# Altium PCB Version_2.PcbDoc (part 4 of 6) (continued)
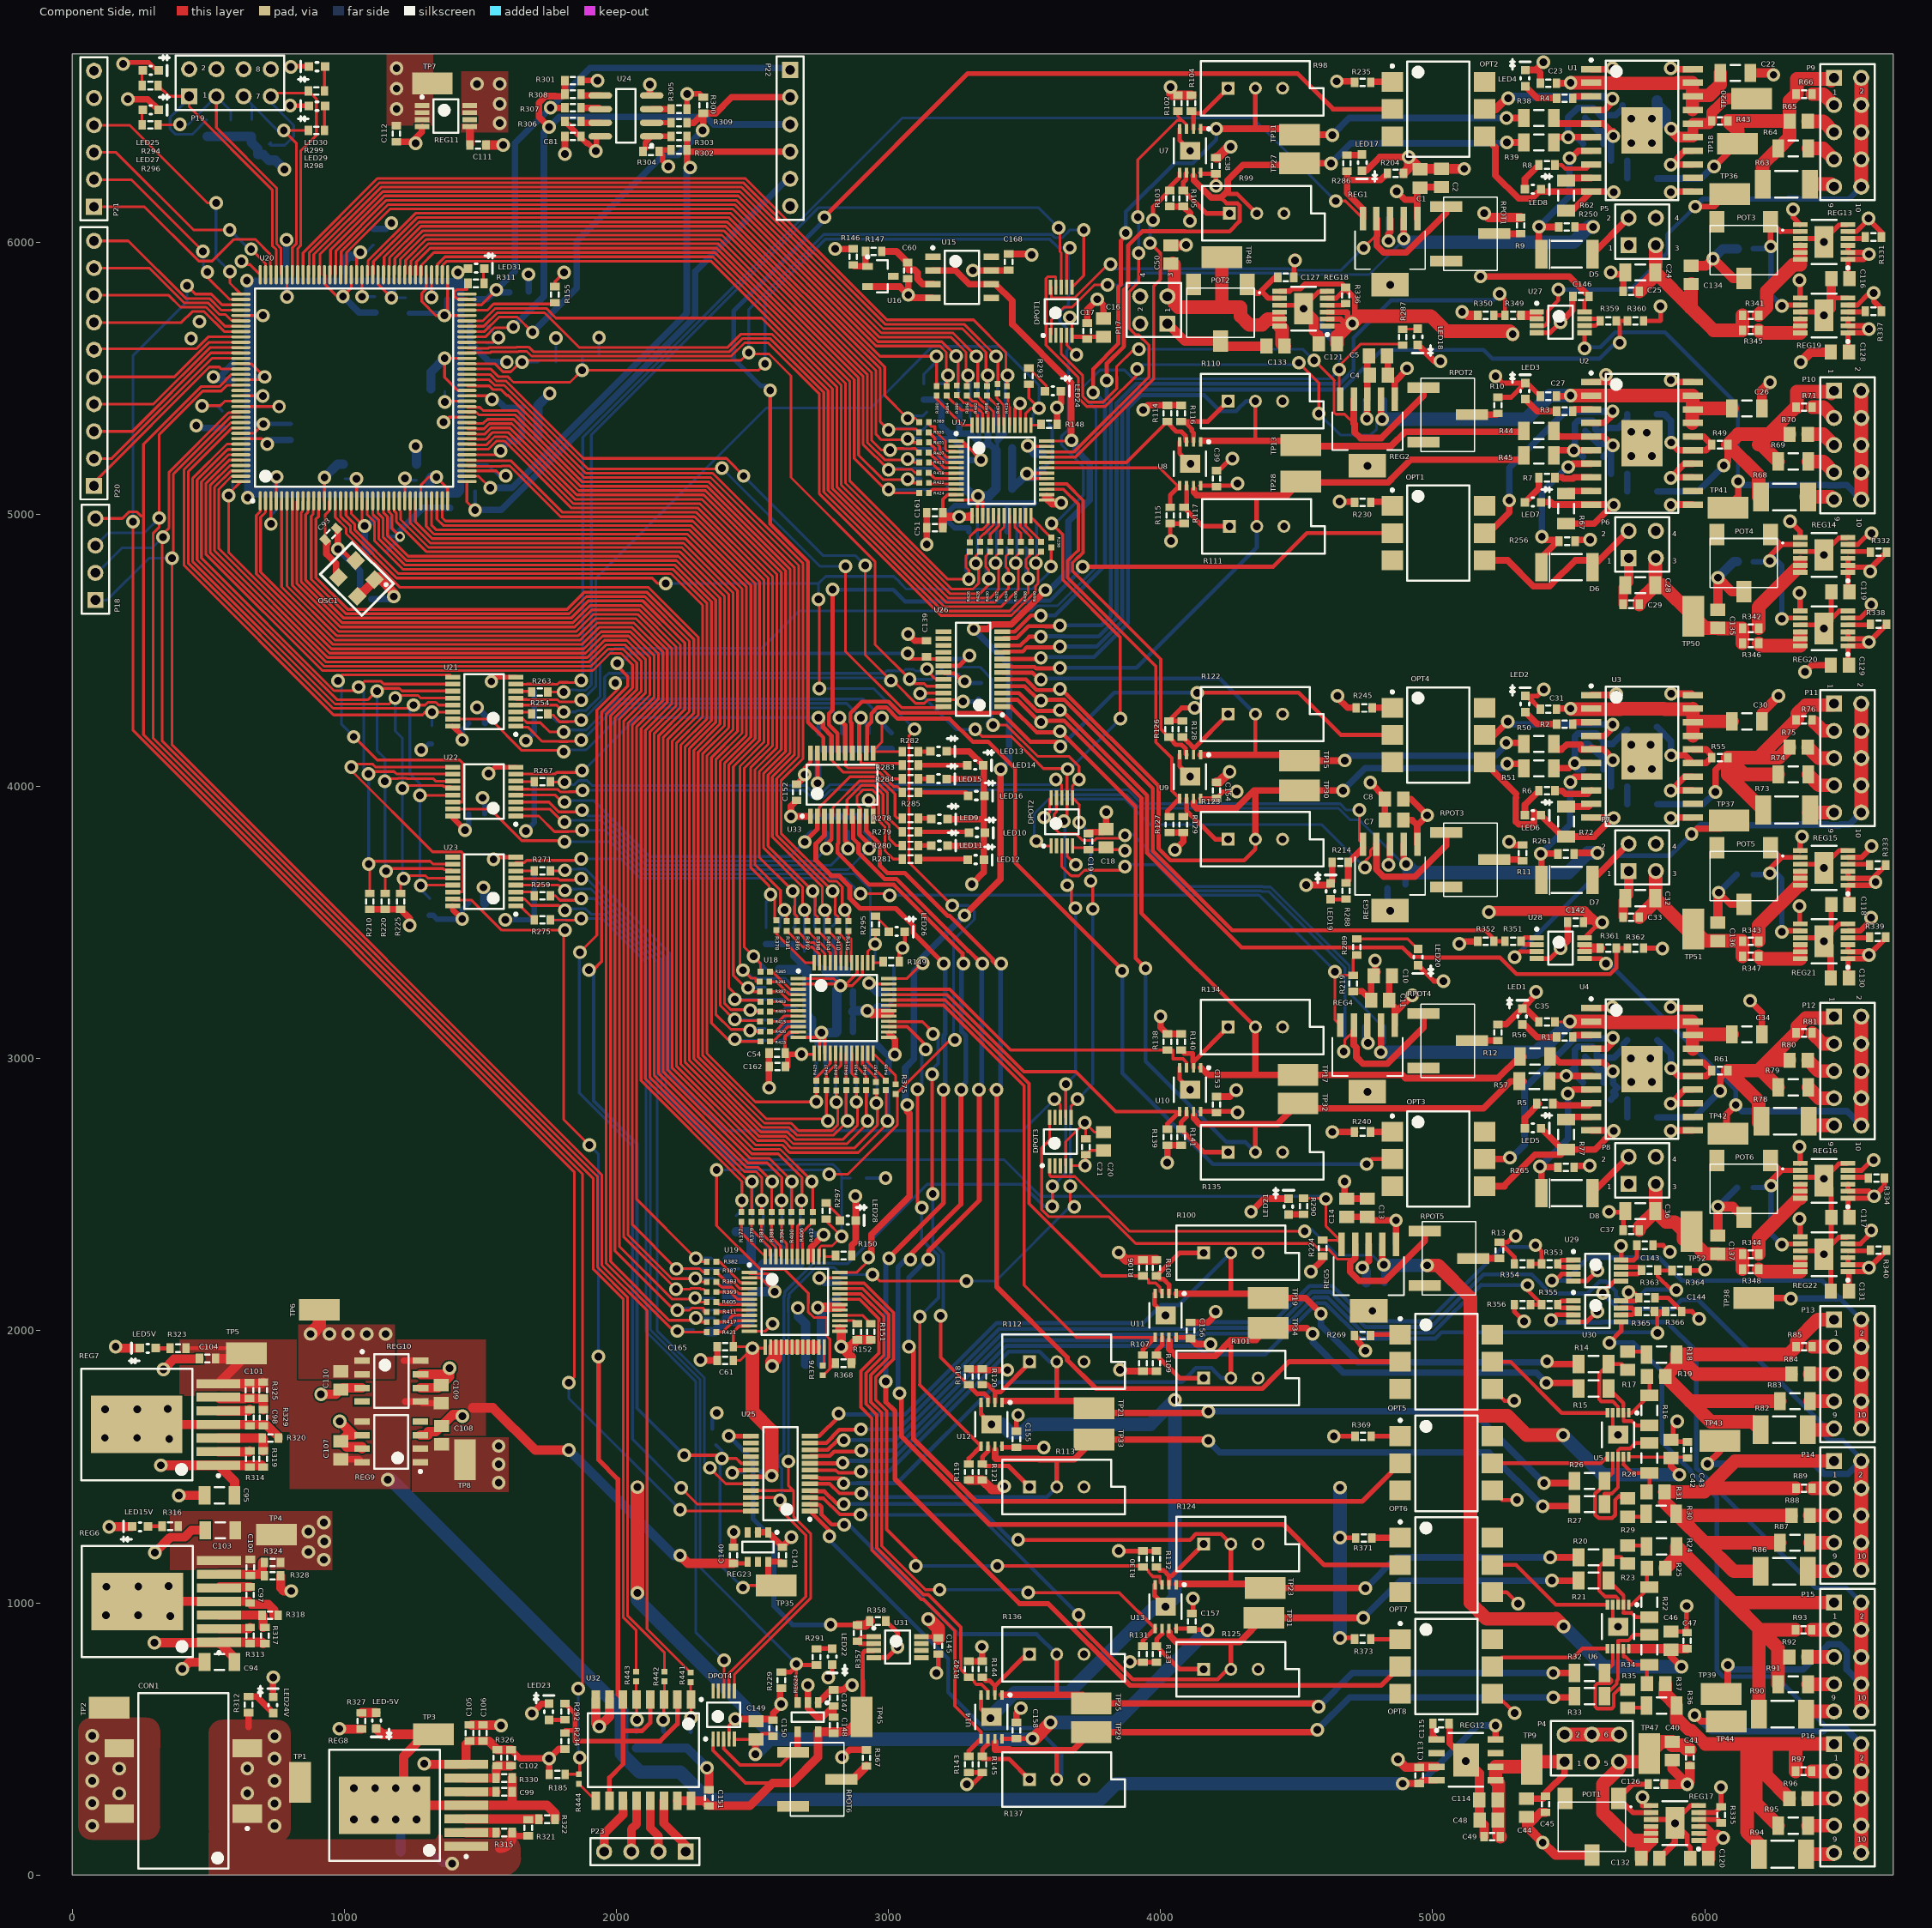
[diagram p0: Component Side view]
## Nets (pads, with @x,y where several pads share a name; then routed paths per layer and width w, separated by ;. In a path a pad name is that pad's centre, name@x,y a point inside that pad or via, vN(x,y) a via of type N, cw(c..) or ccw(c..) an arc to the next point about the centre after c; other vN are vias at no path point) (continued)
  Solder Side w11: v1@3000.24,2774.96 R178.1@3000.24,2891.43
IN70: R183.1 R412.1 U20.15 | length 4129
  Component Side w10: U20.15@966.42,5049.65 966.42,4989.92 1006.83,4949.5 1006.83,4928.76 1203.3,4732.28 2116.72,4732.28 2301.02,4547.98 2301.02,4262.33 2204.55,4165.87 2204.55,2966.24 2504.19,2666.6 2602.19,2666.6 v1@2718.24,2550.55 ; R412.1@2722.44,2436.02 v1@2722.44,2544.4
  Solder Side w10: R183.1@2719.17,2424.11 v1@2719.17,2547.58
  other v1: 2718.24,2548.6
IN71: R188.1 R406.1 U20.12 | length 4393.2
  Component Side w11: U20.12@905.08,5047.37 905.08,4991.7 896.14,4982.75 896.14,4767.49 1012.28,4651.34 1819.79,4651.34 1882.85,4714.4 2111.27,4714.4 2284.52,4541.15 2284.52,4269.17 2188.05,4172.7 2188.05,2959.41 2497.36,2650.1 2595.36,2650.1 2681.74,2563.72 2681.74,2480.1 v1(2680.24,2478.6) ; R406.1@2680.68,2436.02 v1@2680.68,2478.16
  Solder Side w11: R188.1@2675.24,2305.49 v1@2675.24,2473.6
IN72: R193.1 R400.1 U20.11 | length 4326.1
  Component Side w10: U20.11@887.68,5049.65 884.9,5046.87 884.9,4999.93 878.53,4993.56 878.53,4761.76 1005.45,4634.84 1826.63,4634.84 1889.68,4697.9 2104.43,4697.9 2268.02,4534.31 2268.02,4276 2171.55,4179.53 2171.55,2952.57 2490.52,2633.6 2561.43,2633.6 v1@2645.24,2549.79 ; R400.1@2643.84,2436.02 v1@2643.84,2547.2
  Solder Side w10: R193.1@2640.24,2423.13 2642.24,2425.13 2642.24,2462.69 2643.24,2463.69 2643.24,2493.51 2642.24,2494.51 v1@2642.24,2546.6
  other v1: 2645.24,2548.6
IN73: R198.1 R394.1 U20.10 | length 4372
  Component Side w11: U20.10@867.99,5049.65 865.71,5047.37 865.71,5007.02 858.27,4999.58 858.27,4758.69 998.62,4618.34 1833.46,4618.34 1896.52,4681.4 2097.6,4681.4 2251.52,4527.48 2251.52,4282.84 2155.05,4186.37 2155.05,2945.74 2483.69,2617.1 2554.6,2617.1 2608.35,2563.35 v1@2608.35,2479.71 ; R394.1@2607,2436.02 v1@2607,2478.36
  Solder Side w10: 2607.24,2445.96 v1(2607.24,2478.6)
  Solder Side w11: 2607.24,2445.96 2607.24,2313.49 R198.1@2615.24,2305.49
IN74: R203.1 R388.1 U20.9 | length 4293.8
  Component Side w10: U20.9@848.31,5049.65 845.53,5046.87 845.53,5010.17 841.77,5006.41 841.77,4751.86 991.78,4601.84 1840.3,4601.84 1903.35,4664.9 2090.77,4664.9 2235.02,4520.64 2235.02,4289.67 2138.55,4193.2 2138.55,2938.9 2476.86,2600.6 2519.78,2600.6 2571.85,2548.53 v1(2571.85,2548.23) ; R388.1@2570.16,2436.02 2570.24,2436.1 v1@2570.24,2546.62
  Solder Side w10: R203.1@2571.24,2424.13 v1@2571.24,2548.6
IN75: R208.1 R383.1 U20.8 | length 4343.7
  Component Side w10: U20.8@828.62,5049.65 825.84,5046.87 825.84,5013.12 825.77,5013.04 825.77,4745.23 985.15,4585.84 1846.92,4585.84 1909.98,4648.9 2084.14,4648.9 2219.02,4514.02 2219.02,4296.3 2122.55,4199.83 2122.55,2932.28 2470.23,2584.6 2513.15,2584.6 2534.24,2563.51 v1(2534.24,2478.6) ; R383.1@2533.32,2436.02 v1@2533.32,2477.69
  Solder Side w11: v1(2534.24,2478.6) 2539.77,2473.07 2539.77,2325.96 2542.02,2323.71 2542.02,2323.31 2559.84,2305.49 R208.1@2560.24,2305.49
IN76: R213.1 R379.1 U20.7 | length 4247.2
  Component Side w10: U20.7@808.94,5049.65 808.94,4739.43 978.53,4569.84 1853.55,4569.84 1916.61,4632.9 2077.51,4632.9 2203.02,4507.39 2203.02,4302.93 2106.55,4206.46 2106.55,2925.65 2483.6,2548.6 v1(2498.24,2548.6) ; R379.1@2496.49,2436.02 2497.24,2436.78 v1@2497.24,2534.96
  Solder Side w10: v1@2499.24,2547.6 2499.24,2494.51 2498.24,2493.51 2498.24,2463.69 2499.24,2462.69 2499.24,2424.13 R213.1@2500.24,2423.13
IN77: R218.1 R377.1 U20.6 | length 4181.6
  Component Side w10: U20.6@789.25,5049.65 789.25,4736.49 971.9,4553.84 1860.18,4553.84 1923.23,4616.9 2070.88,4616.9 2187.02,4500.76 2187.02,4309.55 2090.55,4213.09 2090.55,2919.02 2461.24,2548.33 v1(2461.24,2478.6) ; R377.1@2459.65,2436.02 v1@2459.65,2477.01
  Solder Side w10: R218.1@2440.24,2423.13 2461.24,2444.13 v1(2461.24,2478.6)
IN80: R223.1 R382.2 U20.5 | length 4290.9
  Component Side w10: U20.5@769.57,5049.65 769.57,4733.55 965.27,4537.84 1866.8,4537.84 1929.86,4600.9 2064.26,4600.9 2171.02,4494.13 2171.02,4316.18 2074.55,4219.71 2074.55,2482.85 v1(2291.46,2265.95) ; v1@2304.45,2252.95 R382.2@2331.69,2252.95
  Solder Side w15: v1@2310.24,2264.96 R223.1@2346.93,2264.96
IN81: R228.1 R387.2 U20.2 | length 4596.5
  Component Side w10: U20.2@710.51,5049.65 710.51,5007.49 692.35,4989.32 692.35,4788.14 958.64,4521.84 1873.43,4521.84 1936.49,4584.9 2057.63,4584.9 2155.02,4487.51 2155.02,4322.81 2058.55,4226.34 2058.55,2389.28 v1(2220.47,2227.36) ; v1@2221.29,2228.18 2305.04,2228.18 2317.11,2216.11 R387.2@2331.69,2216.11
  Solder Side w11: 2245.74,2227.46 2273.79,2227.46 2275.01,2228.68 2305.25,2228.68 2305.49,2228.45 2306.16,2228.45 2307.15,2227.46 R228.1@2450.21,2227.46
IN82: R233.1 R393.2 U20.1 | length 4477.9
  Component Side w10: U20.1@690.83,5049.65 690.83,5010.43 676.35,4995.95 676.35,4781.51 952.02,4505.84 1880.06,4505.84 1943.11,4568.9 2051,4568.9 2139.02,4480.88 2139.02,4329.44 2042.55,4232.97 2042.55,2352.12 2203.31,2191.36 2289.87,2191.36 2290.04,2191.19 2290.37,2191.52 2290.13,2191.75 v1(2290.13,2192.18) ; v1@2301.96,2179.27 R393.2@2331.69,2179.27
  Solder Side w11: v1@2310.24,2191.96 R233.1@2360.71,2191.96
IN83: R154.1 R399.2 U20.144 | length 4643.4
  Component Side w10: v1(574.8,5068.9) 574.8,4860.43 945.39,4489.84 1886.69,4489.84 1949.74,4552.9 2044.37,4552.9 2123.02,4474.25 2123.02,4336.06 2026.55,4239.6 2026.55,2345.5 v1(2219.49,2152.56) 2270.95,2152.56 2274.57,2156.18 2304.39,2156.18 2304.63,2155.95 2306.37,2155.95 2309.76,2152.56 2321.57,2152.56 R399.2@2331.69,2142.44 ; v1@574.8,5075.35 U20.144@619.96,5120.51
  Solder Side w10: v1(574.8,5068.9) v1@574.8,5082.78 ; v1@588.9,5082.99 R154.1@588.9,5118.82
IN84: R243.1 R405.2 U20.143 | length 4749
  Component Side w10: U20.143@619.96,5140.2 586,5140.2 538.8,5093 538.8,4873.8 938.76,4473.84 1893.31,4473.84 1956.37,4536.9 2037.75,4536.9 2107.02,4467.63 2107.02,4342.69 2010.55,4246.22 2010.55,2310.31 2204.31,2116.56 2288.07,2116.56 2289.48,2117.97 v1(2289.48,2120.18) ; v1@2301.03,2105.6 R405.2@2331.69,2105.6
  Solder Side w11: v1@2310.24,2118.96 R243.1@2360.71,2118.96
IN85: R248.1 R411.2 U20.142 | length 5033
  Component Side w10: U20.142@619.96,5159.88 583.06,5159.88 522.8,5099.63 522.8,4867.17 932.13,4457.84 1899.94,4457.84 1963,4520.9 2031.12,4520.9 2091.02,4461 2091.02,4349.32 1994.55,4252.85 1994.55,2293.83 2212.6,2075.79 v1(2223.43,2075.79) 2269.39,2075.79 2276.55,2082.95 2320.56,2082.95 2320.56,2068.76 R411.2@2331.69,2068.76
  Solder Side w10: v1(2223.43,2075.79) 2230.58,2082.95 2306.37,2082.95 2313.53,2075.79 R248.1@2455.54,2075.79
IN86: R253.1 R417.2 U20.141 | length 4887.8
  Component Side w10: U20.141@619.96,5179.57 580.12,5179.57 506.8,5106.25 506.8,4860.55 925.51,4441.84 1906.57,4441.84 1969.62,4504.9 2024.49,4504.9 2075.02,4454.37 2075.02,4355.95 1978.55,4259.48 1978.55,2253.72 2193.77,2038.5 v1@2283.02,2038.5 ; v1@2306.49,2031.92 R417.2@2331.69,2031.92
  Solder Side w11: v1@2310.24,2045.96 R253.1@2360.71,2045.96
  other v1: 2291.46,2046.95
IN87: R258.1 R421.2 U20.140 | length 4959
  Component Side w10: U20.140@619.96,5197.82 U20.140@619.96,5199.25 577.17,5199.25 490.8,5112.88 490.8,4853.92 918.88,4425.84 1913.2,4425.84 1976.25,4488.9 2017.86,4488.9 2059.02,4447.74 2059.02,4362.57 1962.55,4266.1 1962.55,2247.09 2205.61,2004.03 v1@2223.43,2004.03 ; v1@2232.38,1995.08 R421.2@2331.69,1995.08
  Solder Side w11: v1@2240.24,2002.96 R258.1@2283.71,2002.96
  other v1: 2223.43,1999.03
IN91: P18.1 R441.2 U20.132 | length 5869
  Component Side w10: v1(367.14,4838.82) 367.14,4152.54 1946.55,2573.13 1946.55,2240.47 2112.77,2074.25 2112.77,903.96 R441.2@2272.64,744.09 ; v1@371.9,4843.57 371.9,5148.3 580.33,5356.73 U20.132@619.96,5356.73
  Solder Side w10: P18.1@85,4685 127.83,4685 281.65,4838.82 v1(367.14,4838.82)
IN91A: R170.1 R441.1 U32.1 | length 182
  Component Side w10: U32.1@2272.64,646.46 R441.1@2272.64,708.66 ; v1(2274.41,577.95) U32.1@2274.41,644.68
  Solder Side w17: R170.1@2272.64,525.59 2272.64,576.18 v1(2274.41,577.95)
IN92: P18.2 R442.2 U20.131 | length 5835.5
  Component Side w10: v1@324.25,4908.78 330.71,4902.32 330.71,4166.35 1930.55,2566.51 1930.55,2233.84 2040.77,2123.62 2040.77,953.33 2176.18,817.92 R442.2@2176.18,747.05 ; v1(333.66,4916.34) 333.66,4928.23 355.9,4950.46 355.9,5154.93 574.6,5373.64 617.18,5373.64 U20.131@619.96,5376.42
  Solder Side w10: P18.2@85,4785 91.1,4785 183.07,4876.97 294.29,4876.97 v1(333.66,4916.34)
IN92A: R175.1 R442.1 U32.3 | length 182.2
  Component Side w10: v1@2174.41,572.05 U32.3@2174.41,644.68 ; U32.3@2176.18,646.46 R442.1@2176.18,711.61
  Solder Side w17: v1(2172.24,569.88) 2172.24,528.54 R175.1@2174.41,526.38
IN93: P18.3 R443.2 U20.126 | length 5943
  Component Side w10: U20.126@619.96,5474.84 568.81,5474.84 547.16,5453.19 479.75,5453.19 319.9,5293.33 v1(319.9,4986.46) 319.9,4953.49 297.66,4931.25 297.66,4176.77 1914.55,2559.88 1914.55,2227.21 2024.77,2116.99 2024.77,946.71 2072.83,898.64 R443.2@2072.83,747.05
  Solder Side w10: P18.3@85,4885 132.09,4932.09 265.52,4932.09 v1(319.9,4986.46)
IN93A: R180.1 R443.1 U32.5 | length 187
  Component Side w10: U32.5@2072.83,646.26 R443.1@2072.83,711.61 ; v1@2074.41,571.26 U32.5@2074.41,644.68
  Solder Side w17: R180.1@2072.83,525.59 v1@2072.83,573.82
  other v1: 2075.79,569.88
IN94: P18.4 R185.1 R444.1 U20.124 | length 6249.6
  Component Side w10: P18.4@85,4985 184.09,4985 207.99,5008.9 237.82,5008.9 253.61,4993.11 ; U20.124@619.96,5514.21 585.55,5514.21 540.53,5469.19 473.13,5469.19 261.81,5257.87 261.81,4189.99 1875,2576.8 v1@1875,700.79 ; R185.1@1812.99,370.08 R444.1@1862.2,370.08 ; R444.1@1865.16,373.03 v1(1865.16,431.1)
  Solder Side w10: v1(1859.34,685.07) 1859.34,437.9 1860.24,437.01 1854.33,431.1 v1(1865.16,431.1)
INITB: R153.1 U20.39 | length 279.2
  Component Side w10: U20.39@1450.67,5159.88 1558.62,5159.88 1576.52,5141.98 v1(1593.58,5141.98)
  Solder Side w10: R153.1@1482.6,5182.8 1526.85,5182.8 1568.9,5140.75 1570.13,5141.98 v1(1593.58,5141.98)
IO1M: R103.2 U7.5 U17.33 | length 1341.9
  Component Side w12: U17.33@3581.58,5210.17 3687.13,5210.17 3974.47,5497.51 3974.47,5838.83 3998.83,5863.19 3998.83,5959.83 v1(3961.61,5997.05)
  Component Side w17: v1(3972.32,6080.81) 3972.32,6129.26 R103.2@4033.54,6190.49 4033.54,6202.84 4070.16,6239.45 U7.5@4070.16,6255.47
  Solder Side w12: v1(3961.61,5997.05) 3961.61,6072.83 3969.59,6080.81 v1(3972.32,6080.81)
IO1P: R102.2 U7.3 U17.34 | length 1641.1
  Component Side w11: U17.34@3581.58,5229.86 3682.07,5229.86 3956.97,5504.76 3956.97,5621.69 3918.72,5659.93 3908.24,5659.93 3884.21,5683.97 3884.21,5817.96 3919.41,5853.15 v1(3919.41,5960.06) ; v1(3916.34,6092.52) 3916.34,6303.25 4060.92,6447.83 4079.4,6447.83 ; R102.2@4063.55,6481.43 4063.55,6463.68 4095.75,6431.48 U7.3@4095.75,6416.45
  Solder Side w11: v1(3916.34,6092.52) 3919.41,6089.45 v1(3919.41,5960.06)
IO2M: R115.2 U8.5 U17.31 | length 601.8
  Component Side w12: U17.31@3581.58,5170.8 3996.52,5170.8 U8.5@4066.01,5101.32
  Component Side w17: R115.2@4035.24,5025.49 4035.24,5070.55 U8.5@4066.01,5101.32
IO2P: R114.2 U8.3 U17.32 | length 609.1
  Component Side w12: U17.32@3581.58,5190.49 3874.29,5190.49 R114.2@4019.79,5335.98
  Component Side w17: R114.2@4025.24,5336.97 4058.07,5304.13 4076.77,5304.13 4091.93,5288.98 4091.93,5277.21 4093.16,5275.98 4093.16,5269.04 U8.3@4095.75,5266.45
IO3M: R127.2 U9.5 U17.27 | length 1491.8
  Component Side w12: U17.27@3581.58,5092.06 3643.25,5092.06 3697.57,5037.74 3697.57,4867.44 3692.22,4862.09 3690.8,4862.09 3658.58,4829.87 3658.58,4766.05 3982.52,4442.11 3982.52,4162.77 4041.34,4103.95 4041.34,3984.29 U9.5@4070.16,3955.47
  Component Side w17: R127.2@4025.24,3890.49 4025.24,3910.55 U9.5@4070.16,3955.47
IO3P: R126.2 U9.3 U17.28 | length 1297.9
  Component Side w12: U17.28@3581.58,5111.75 3654.98,5111.75 3715.57,5051.17 3715.57,4859.98 3699.67,4844.09 3698.26,4844.09 3676.58,4822.41 3676.58,4791.76 4000.52,4467.82 4000.52,4211.15 R126.2@4030.24,4181.43
  Component Side w17: R126.2@4030.24,4181.43 4048.02,4163.65 4048.02,4161.65 4056.52,4153.15 4076.9,4153.15 4081.61,4148.45 4082.42,4148.45 4090.91,4139.96 4090.91,4139.31 4092.16,4139.31 4092.16,4126.98 4093.16,4125.98 4093.16,4118.51 4095.22,4116.45 U9.3@4095.75,4116.45
IO4M: R139.2 U10.5 U18.33 | length 1318.4
  Component Side w12: U18.33@3001.58,3235.17 3214.48,3235.17 3497.89,2951.77 3688.98,2951.77 3835.28,2805.47 4058.42,2805.47
  Component Side w17: R139.2@4025.24,2740.49 4025.24,2760.55 U10.5@4070.16,2805.47
IO4P: R138.2 U10.3 U18.34 | length 1225.2
  Component Side w12: U18.34@3001.58,3254.86 3225.45,3254.86 3448.88,3031.43 R138.2@4025.24,3031.43 4045.52,3031.43 4045.52,2998.95 4082.74,2998.95 4095.75,2985.94
  Component Side w17: R138.2@4025.24,3030.85 R138.2@4025.24,3031.43
IO5M: R107.2 U11.5 U18.31 | length 1996.6
  Component Side w12: U18.31@3001.58,3195.8 3202.82,3195.8 3498.77,2899.86 3498.77,2167.57 3690.87,1975.47 U11.5@3980.16,1975.47
  Component Side w17: R107.2@3935.24,1910.49 3935.24,1930.55 U11.5@3980.16,1975.47
IO5P: R106.2 U11.3 U18.32 | length 1729.7
  Component Side w12: U18.32@3001.58,3215.49 3208.59,3215.49 3516.77,2907.31 3516.77,2467.33 3782.67,2201.43 R106.2@3940.77,2201.43 ; R106.2@3935.24,2201.43 R106.2@3940.77,2201.43 ; U11.3@4005.75,2136.45 3998.41,2143.79 3998.41,2158.92 3981.68,2175.65 3955.52,2175.65 3955.52,2186.68 R106.2@3940.77,2201.43
IO6M: R119.2 U12.5 U18.27 | length 1846.2
  Component Side w12: U18.27@3001.58,3117.06 3068.96,3117.06 3136.81,3049.21 v1(3136.81,3033.46) ; v1@3106.3,2467.52 v1(3106.3,2887.8) ; v1(3115.31,2051.28) 3115.31,1802.29 3114.33,1801.3 U12.5@3340.16,1575.47
  Component Side w17: R119.2@3295.24,1510.49 3295.24,1530.55 U12.5@3340.16,1575.47
  Solder Side w12: v1(3106.3,2887.8) 3122.09,2903.58 v1@3122.09,3018.74 ; v1(3115.31,2051.28) 3115.31,2052.27 3183.65,2120.61 3183.65,2276.15 3161.98,2297.83 3159.15,2297.83 3122.05,2334.93 v1(3122.05,2451.77)
IO6P: R118.2 U12.3 U18.28 | length 1676.8
  Component Side w12: U18.28@3001.58,3136.75 3002.58,3135.75 3125.08,3135.75 3163.54,3097.29 v1(3163.54,3090.7) v1@3170.28,3083.97 ; v1(3160.43,2942.91) 3160.43,2504.21 v1(3162.56,2502.09) ; v1(3191.93,2055.12) 3191.93,1901.83 R118.2@3295.24,1798.52
  Component Side w17: R118.2@3295.24,1798.52 3326.3,1767.45 3327.3,1768.45 3352.42,1768.45 3365.75,1755.12 U12.3@3365.75,1736.45
  Solder Side w12: v1(3160.43,2942.91) 3160.43,2960.62 3182.09,2982.27 3182.09,3072.16 v1(3163.54,3090.7) ; v1(3162.56,2502.09) 3162.56,2319.88 3165.38,2319.88 3201.65,2283.61 3201.65,2064.84 v1(3191.93,2055.12)
IO7M: R131.2 U13.5 U19.33 | length 2327.5
  Component Side w12: U19.33@2821.58,2155.17 2904.93,2155.17 3000.95,2059.15 3000.95,1902.56 2935.16,1836.76 2935.16,1738.03 2975.11,1698.08 2975.11,1208.99 3135.82,1048.28 v1(3188.15,1048.28) ; v1(3513.78,1037.4) 3848.23,1037.4 U13.5@3980.16,905.47
  Component Side w17: R131.2@3935.24,840.49 3935.24,860.55 U13.5@3980.16,905.47
  Solder Side w12: v1(3188.15,1048.28) 3502.9,1048.28 v1(3513.78,1037.4)
IO7P: R130.2 U13.3 U19.34 | length 2172.6
  Component Side w12: U19.34@2821.58,2174.86 2910.7,2174.86 3018.95,2066.61 3018.95,1895.1 2953.16,1829.3 2953.16,1745.49 2993.11,1705.54 2993.11,1269.51 3100.54,1162.08 ; v1(3399.61,1135.83) R130.2@3930.85,1135.83 ; R130.2@3940.77,1131.43 3955.52,1116.68 3955.52,1112.68 3972.25,1095.95 3998.41,1095.95 3998.41,1073.79 U13.3@4005.75,1066.45
  Solder Side w12: v1(3100.54,1135.88) 3399.55,1135.88 v1(3399.61,1135.83)
IO8M: R143.2 U14.5 U19.31 | length 2015.3
  Component Side w12: U19.31@2821.58,2115.8 2893.39,2115.8 2964.95,2044.24 2964.95,1917.71 2898.62,1851.38 2898.62,1718.5 2939.11,1678.02 2939.11,1194.08 3120.91,1012.28 3128.63,1012.28 3244.09,896.81 3244.09,621.19 3340.16,525.13 U14.5@3340.16,500.47
  Component Side w17: R143.2@3295.24,435.49 3295.24,455.55 U14.5@3340.16,500.47
IO8P: R142.2 U14.3 U19.32 | length 1814.4
  Component Side w12: U19.32@2821.58,2135.49 2899.16,2135.49 2982.95,2051.7 2982.95,1910.01 2917.16,1844.21 2917.16,1730.58 2957.11,1690.63 2957.11,1201.54 3128.37,1030.28 3145.77,1030.28 3265.52,910.52 3265.52,756.15 R142.2@3295.24,726.43 3300.77,726.43 3315.52,711.68 3315.52,707.68 3322.55,700.65 3341.68,700.65 U14.3@3365.75,676.58
  Component Side w17: R142.2@3295.24,726.43 R142.2@3300.77,726.43
IO9M: R152.2 U19.27 | length 68.5
  Component Side w10: U19.27@2821.58,2037.06 2873.66,2037.06 R152.2@2885.24,2025.49
IO9P: R151.2 U19.28 | length 126.6
  Component Side w10: U19.28@2821.58,2056.75 2903.98,2056.75 R151.2@2935.24,2025.49
ISET1: R62.2 U1.9 | length 82.4
  Component Side w24: R62.2@5500.08,6235.96 U1.9@5582.48,6235.96
ISET2: R67.2 U2.9 | length 96.3
  Component Side w24: R67.2@5490.24,5076.12 5500.08,5085.96 U2.9@5582.48,5085.96
ISET3: R72.2 U3.9 | length 96.3
  Component Side w24: R72.2@5490.24,3926.12 5572.64,3926.12 U3.9@5582.48,3935.96
ISET4: R77.2 U4.9 | length 82.4
  Component Side w24: R77.2@5500.08,2785.96 U4.9@5582.48,2785.96
M0: R155.1 U20.69 | length 327.7
  Component Side w10: U20.69@1450.67,5750.43 1526.33,5750.43 1548.88,5772.98 R155.1@1769.04,5772.98
NetD5_2: D5.2 R250.2 U1.7 | length 589.6
  Component Side w24: D5.2@5400.04,5955.96 5390.75,5965.26 v1(5390.75,6057.09) 5391.87,6055.96 R250.2@5464.02,6055.96 ; v1(5502.95,6309.06) 5508.86,6309.06 5535.77,6335.96 U1.7@5582.48,6335.96
  Solder Side w24: v1(5390.75,6057.09) 5501.97,6168.31 5501.97,6319.92 5502.95,6318.94 v1(5502.95,6309.06)
NetD6_2: D6.2 R256.2 U2.7 | length 550.8
  Component Side w24: D6.2@5400.04,4841.99 5464.02,4905.96 5412.94,4905.96 v1(5401.57,4917.32) ; v1@5499.28,5171.53 5499.28,5178.4 5507.14,5178.4 5514.7,5185.96 U2.7@5582.48,5185.96
  Solder Side w24: v1@5400.59,4916.34 v1(5401.57,4917.32) 5401.57,5080.69 5495.09,5174.21 v1(5498.03,5174.21)
NetD7_2: D7.2 R261.2 U3.7 | length 556.8
  Component Side w24: D7.2@5400.04,3655.96 5400.04,3750.55 v1(5397.64,3752.95) R261.2@5461.01,3752.95 ; v1(5505.91,4015.75) 5505.91,4020.67 5521.2,4035.96 U3.7@5582.48,4035.96
  Solder Side w24: v1(5397.64,3752.95) 5505.91,3861.22 v1(5505.91,4015.75)
NetD8_2: D8.2 R265.2 U4.7 | length 550.8
  Component Side w24: v1@5393.7,2601.38 R265.2@5459.43,2601.38 ; v1(5393.96,2603.47) 5400.04,2597.4 D8.2@5400.04,2505.96 ; v1@5510.91,2880.91 5515.96,2885.96 U4.7@5582.48,2885.96
  Solder Side w24: v1(5393.96,2603.47) 5395.8,2603.47 5497.05,2704.72 v1(5497.05,2871.06)
NetLED1_1: LED1.1 R1.2 | length 133.7
  Component Side w24: LED1.1@5340.24,3123.29 5384.25,3079.27 R1.2@5455.71,3079.27
NetLED2_1: LED2.1 R2.2 | length 133.7
  Component Side w24: LED2.1@5340.24,4273.29 5384.25,4229.27 R2.2@5455.71,4229.27
NetLED3_1: LED3.1 R3.2 | length 133.7
  Component Side w24: LED3.1@5340.24,5423.29 5384.25,5379.27 R3.2@5455.71,5379.27
NetLED4_1: LED4.1 R4.2 | length 133.7
  Component Side w24: LED4.1@5340.24,6573.29 5384.25,6529.27 R4.2@5455.71,6529.27
NetLED5_1: LED5.1 R5.2 | length 111.3
  Component Side w24: LED5.1@5339.26,2744.27 5339.26,2782.81 R5.2@5390.71,2834.27
NetLED5V_1: LED5V.1 R323.2 | length 41.3
  Component Side w15: LED5V.1@316.93,1935.04 R323.2@358.27,1935.04
NetLED6_1: LED6.1 R6.2 | length 111.3
  Component Side w24: LED6.1@5339.26,3894.27 5339.26,3932.81 R6.2@5390.71,3984.27
NetLED7_1: LED7.1 R7.2 | length 111.3
  Component Side w24: LED7.1@5339.26,5044.27 5390.71,5095.72 R7.2@5390.71,5134.27
NetLED8_1: LED8.1 R8.2 | length 111.3
  Component Side w24: LED8.1@5339.26,6194.27 5339.26,6232.82 R8.2@5390.71,6284.27
NetLED9_1: LED9.1 R278.2 | length 39.5
  Component Side w17: R278.2@3109.77,3883.13 LED9.1@3149.26,3883.13
NetLED10_1: LED10.1 R279.2 | length 174.5
  Component Side w17: R279.2@3109.77,3833.13 LED10.1@3284.26,3833.13
NetLED11_1: LED11.1 R280.2 | length 39.5
  Component Side w17: R280.2@3109.77,3783.13 LED11.1@3149.25,3783.13
NetLED12_1: LED12.1 R281.2 | length 174.5
  Component Side w17: R281.2@3109.77,3733.13 LED12.1@3284.26,3733.13
NetLED13_1: LED13.1 R282.2 | length 39.5
  Component Side w17: R282.2@3109.77,4128.13 LED13.1@3149.26,4128.13
NetLED14_1: LED14.1 R283.2 | length 174.5
  Component Side w17: R283.2@3109.77,4078.13 LED14.1@3284.26,4078.13
NetLED15_1: LED15.1 R284.2 | length 39.5
  Component Side w17: R284.2@3109.77,4028.13 LED15.1@3149.26,4028.13
NetLED15V_1: LED15V.1 R316.2 | length 42.3
  Component Side w15: LED15V.1@288.39,1281.5 R316.2@330.71,1281.5
NetLED16_1: LED16.1 R285.2 | length 174.5
  Component Side w17: R285.2@3109.77,3978.13 LED16.1@3284.26,3978.13
NetLED17_1: LED17.1 R286.2 | length 55.6
  Component Side w24: R286.2@4685.24,6320.49 4738.79,6320.49 LED17.1@4740.24,6321.94
NetLED18_1: LED18.1 R287.2 | length 53.5
  Component Side w10: R287.2@4890.24,5680.49 LED18.1@4943.79,5680.49
NetLED19_1: LED19.1 R288.2 | length 53
  Component Side w15: LED19.1@4625.24,3584.98 R288.2@4678.27,3584.98
NetLED20_1: LED20.1 R289.2 | length 239.9
  Component Side w10: R289.2@4721.46,3439.96 4908.46,3439.96 LED20.1@4945.87,3402.56
NetLED21_1: LED21.1 R290.2 | length 53.5
  Component Side w24: LED21.1@4472.04,2427.74 R290.2@4525.59,2427.74
NetLED22_1: LED22.1 R291.2 | length 56.1
  Component Side w17: R291.2@2736.22,831.69 LED22.1@2792.32,831.69
NetLED23_1: LED23.1 R292.2 | length 53.2
  Component Side w15: LED23.1@1756.89,569.88 R292.2@1810.04,569.88
NetLED24_1: LED24.1 R293.2 | length 117.7
  Component Side w10: R293.2@3515.75,5537.4 3579.26,5473.89 LED24.1@3579.26,5445.96
NetLED24V_1: LED24V.1 R312.2 | length 115.1
  Component Side w24: R312.2@648.23,655.49 677.72,655.49 LED24V.1@738.23,594.98
NetLED25_1: LED25.1 R294.2 | length 55.8
  Component Side w10: R294.2@256.81,6575.96 256.81,6628.99 LED25.1@258.78,6630.96
NetLED26_1: LED26.1 R295.2 | length 77.4
  Component Side w10: R295.2@2952.17,3523.05 3001.18,3474.03 LED26.1@3001.18,3465.96
NetLED27_1: LED27.1 R296.2 | length 53
  Component Side w10: R296.2@256.81,6430.96 LED27.1@256.81,6483.99
NetLED28_1: LED28.1 R297.2 | length 84.8
  Component Side w10: R297.2@2770.67,2469.49 2820.87,2419.29 LED28.1@2820.87,2405.51
NetLED29_1: LED29.1 R298.2 | length 88
  Component Side w10: R298.2@927.32,6410.96 LED29.1@927.32,6498.99
NetLED30_1: LED30.1 R299.2 | length 88
  Component Side w10: R299.2@927.32,6555.96 LED30.1@927.32,6643.99
NetLED31_2: LED31.2 R311.1 | length 53.1
  Component Side w10: R311.1@1511.34,5844.45 LED31.2@1511.34,5897.56
NetLED-5V_1: LED-5V.1 R327.2 | length 55.6
  Component Side w35: R327.2@1062.64,595.49 1064.09,596.94 LED-5V.1@1117.64,596.94
NetOPT1_1: OPT1.1 R230.2 | length 83.1
  Component Side w24: R230.2@4774.77,5045.96 4836.66,5045.96 OPT1.1@4851.66,5030.96
NetOPT2_1: OPT2.1 R235.2 | length 76.9
  Component Side w24: R235.2@4774.77,6589.27 OPT2.1@4851.66,6589.27
NetOPT3_1: OPT3.1 R240.2 | length 76.9
  Component Side w24: R240.2@4774.77,2730.96 OPT3.1@4851.66,2730.96
NetOPT4_1: OPT4.1 R245.2 | length 76.9
  Component Side w24: R245.2@4774.77,4289.27 OPT4.1@4851.66,4289.27
NetOPT5_1: OPT5.1 R269.2 | length 106.2
  Component Side w17: R269.2@4774.77,1985.96 OPT5.1@4880.95,1985.96
NetOPT6_1: OPT6.1 R369.2 | length 106.2
  Component Side w17: R369.2@4774.77,1612.63 OPT6.1@4880.95,1612.63
NetOPT7_1: OPT7.1 R371.2 | length 106.2
  Component Side w24: R371.2@4774.77,1239.3 OPT7.1@4880.95,1239.3
NetOPT8_1: OPT8.1 R373.2 | length 106.2
  Component Side w17: R373.2@4774.77,865.96 OPT8.1@4880.95,865.96
NetP9_3: P9.3 R66.1 | length 97
  Component Side w50: R66.1@6394.77,6544.27 6435.24,6544.27 P9.3@6475.24,6504.27
NetP9_5: P9.5 R65.1 | length 113.1
  Component Side w50: R65.1@6378.7,6444.27 6435.24,6444.27 P9.5@6475.24,6404.27
NetP9_7: P9.7 R64.1 | length 111.5
  Component Side w50: R64.1@6380.36,6344.27 6435.24,6344.27 P9.7@6475.24,6304.27
NetP9_9: P9.9 R63.1 | length 92.6
  Component Side w50: R63.1@6386.81,6214.27 6465.24,6214.27 P9.9@6475.24,6204.27
NetP10_3: P10.3 R71.1 | length 97
  Component Side w50: R71.1@6394.77,5394.27 6435.24,5394.27 P10.3@6475.24,5354.27
NetP10_5: P10.5 R70.1 | length 113.1
  Component Side w50: R70.1@6378.7,5294.27 6435.24,5294.27 P10.5@6475.24,5254.27
NetP10_7: P10.7 R69.1 | length 111.5
  Component Side w50: R69.1@6380.36,5194.27 6435.24,5194.27 P10.7@6475.24,5154.27
NetP10_9: P10.9 R68.1 | length 107.5
  Component Side w50: R68.1@6371.85,5064.27 6465.24,5064.27 P10.9@6475.24,5054.27
NetP11_3: P11.3 R76.1 | length 84.4
  Component Side w50: R76.1@6403.67,4235.36 6434.76,4204.27 P11.3@6475.24,4204.27
NetP11_5: P11.5 R75.1 | length 113.1
  Component Side w50: R75.1@6378.7,4144.27 6418.7,4104.27 P11.5@6475.24,4104.27
NetP11_7: P11.7 R74.1 | length 111.5
  Component Side w50: R74.1@6380.36,4044.27 6420.36,4004.27 P11.7@6475.24,4004.27
NetP11_9: P11.9 R73.1 | length 93.4
  Component Side w50: R73.1@6381.85,3904.27 P11.9@6475.24,3904.27
NetP12_3: P12.3 R81.1 | length 95.6
  Component Side w50: R81.1@6395.77,3093.27 6434.76,3054.27 P12.3@6475.24,3054.27
NetP12_5: P12.5 R80.1 | length 113.1
  Component Side w50: R80.1@6378.7,2994.27 6418.7,2954.27 P12.5@6475.24,2954.27
NetP12_7: P12.7 R79.1 | length 111.5
  Component Side w50: R79.1@6380.36,2894.27 6420.36,2854.27 P12.7@6475.24,2854.27
NetP12_9: P12.9 R78.1 | length 93.4
  Component Side w50: R78.1@6381.85,2754.27 P12.9@6475.24,2754.27
NetP13_3: P13.3 R85.1 | length 80.5
  Component Side w50: R85.1@6394.77,1940.96 P13.3@6475.24,1940.96
NetP13_5: P13.5 R84.1 | length 89.3
  Component Side w50: R84.1@6385.91,1840.96 P13.5@6475.24,1840.96
NetP13_7: P13.7 R83.1 | length 88.3
  Component Side w50: R83.1@6386.89,1740.96 P13.7@6475.24,1740.96
NetP13_9: P13.9 R82.1 | length 98.3
  Component Side w50: R82.1@6379.02,1635.96 6470.24,1635.96 P13.9@6475.24,1640.96
NetP14_3: P14.3 R89.1 | length 80.5
  Component Side w50: R89.1@6394.77,1420.96 P14.3@6475.24,1420.96
NetP14_5: P14.5 R88.1 | length 89.3
  Component Side w50: R88.1@6385.91,1320.96 P14.5@6475.24,1320.96
NetP14_7: P14.7 R87.1 | length 88.3
  Component Side w50: R87.1@6386.89,1220.96 P14.7@6475.24,1220.96
NetP14_9: P14.9 R86.1 | length 98.3
  Component Side w50: R86.1@6379.02,1115.96 6470.24,1115.96 P14.9@6475.24,1120.96
NetP15_3: P15.3 R93.1 | length 82.4
  Component Side w50: R93.1@6392.86,900.96 P15.3@6475.24,900.96
NetP15_5: P15.5 R92.1 | length 97.1
  Component Side w50: R92.1@6378.1,800.96 P15.5@6475.24,800.96
NetP15_7: P15.7 R91.1 | length 95.2
  Component Side w50: R91.1@6380.06,700.96 P15.7@6475.24,700.96
NetP15_9: P15.9 R90.1 | length 93
  Component Side w50: R90.1@6382.19,600.96 P15.9@6475.24,600.96
NetP16_3: P16.3 R97.1 | length 82.4
  Component Side w50: R97.1@6392.86,380.96 P16.3@6475.24,380.96
NetP16_5: P16.5 R96.1 | length 97.1
  Component Side w50: R96.1@6378.1,280.96 P16.5@6475.24,280.96
NetP16_7: P16.7 R95.1 | length 95.2
  Component Side w50: R95.1@6380.06,180.96 P16.7@6475.24,180.96
NetP16_9: P16.9 R94.1 | length 98
  Component Side w50: R94.1@6372.19,75.96 P16.9@6470.24,75.96
NetR9_2: R9.2 RPOT1.2 | length 95.9
  Component Side w24: RPOT1.2@5227.13,6030.97 R9.2@5323.08,6030.97
NetR10_2: R10.2 RPOT2.2 | length 98.7
  Component Side w24: RPOT2.2@5143.82,5365.97 5234.77,5365.97 R10.2@5240.24,5371.43
NetR11_2: R11.2 RPOT3.2 | length 95
  Component Side w24: RPOT3.2@5227.13,3730.97 5315.71,3730.97 R11.2@5320.24,3726.43
NetR12_2: R12.2 RPOT4.2 | length 95.9
  Component Side w24: RPOT4.2@5143.82,3065.97 R12.2@5239.77,3065.97
NetR13_2: R13.2 RPOT5.2 | length 95.9
  Component Side w24: RPOT5.2@5148.82,2265.97 R13.2@5244.77,2265.97
NetR17_1: R17.1 R18.1 | length 59.1
  Component Side w14: R17.1@5716.58,1923.25 R18.1@5775.64,1923.25
NetR23_1: R23.1 R24.1 | length 66.4
  Component Side w14: R23.1@5716.58,1210.89 R24.1@5783,1210.89
NetR29_1: R29.1 R30.1 | length 57.4
  Component Side w14: R29.1@5716.58,1316.6 R30.1@5773.95,1316.6
NetR35_1: R35.1 R36.1 | length 61.4
  Component Side w14: R35.1@5716.58,613.96 R36.1@5778,613.96
NetR41_1: R41.1 R42.1 | length 64.6
  Solder Side w24: R42.1@5714.77,6234.62 R41.1@5714.77,6299.27
NetR47_1: R47.1 R48.1 | length 64.6
  Solder Side w24: R48.1@5714.77,5084.62 R47.1@5714.77,5149.27
NetR53_1: R53.1 R54.1 | length 64.6
  Solder Side w24: R54.1@5714.77,3934.62 R53.1@5714.77,3999.27
NetR59_1: R59.1 R60.1 | length 64.6
  Solder Side w24: R60.1@5714.77,2784.62 R59.1@5714.77,2849.27
NetR146_1: R146.1 R147.1 U16.1 | length 95
  Component Side w24: R146.1@2875,5911.67 U16.1@2923.07,5911.67 ; U16.1@2915.71,5919.03 R147.1@2915.71,5965.96
NetR238_1: R238.1 U17.24 | length 106
  Component Side w10: U17.24@3523.51,4989.29 R238.1@3598.43,4914.37
NetR303_1: R303.1 R304.2 U24.1 | length 139.7
  Component Side w20: R304.2@2097.44,6333.66 2105.67,6341.89 2105.67,6365.02 U24.1@2129.68,6389.04 R303.1@2200.67,6389.04
NetR305_2: R305.2 U24.3 | length 71
  Component Side w24: U24.3@2129.68,6489.04 R305.2@2200.67,6489.04